# KiCad board eurovISOn REV.kicad_pcb (continued)
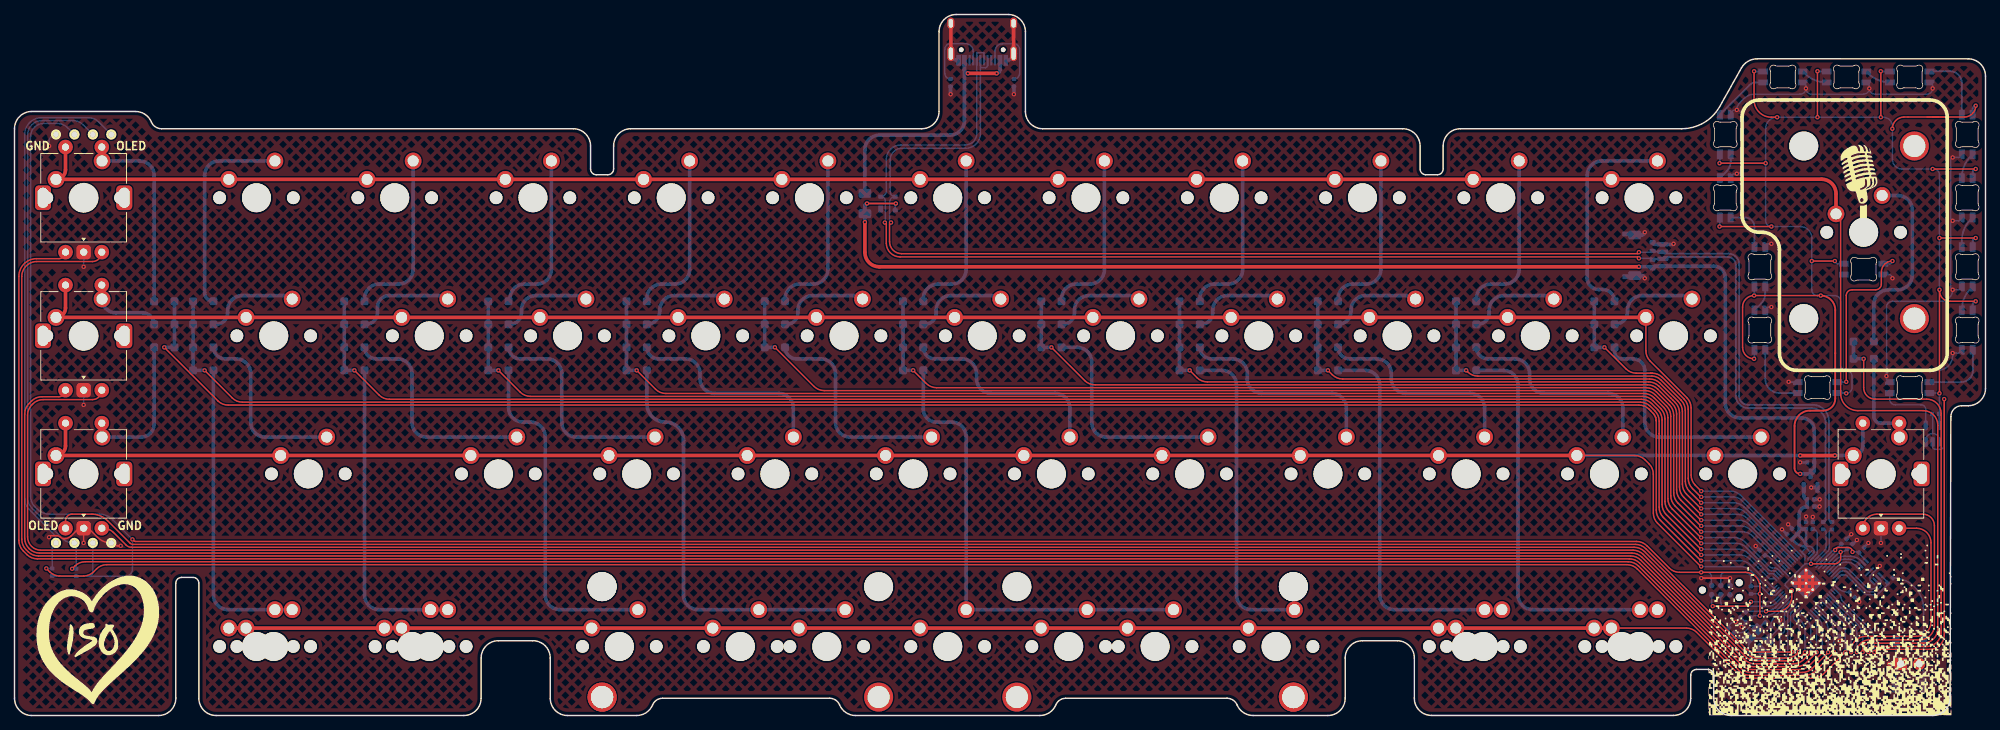
[diagram p0: board, top side]
## Routing (per net, layer and track width the routed paths; a pad name or vN(x,y) marks a point on that pad's centre or on a via; arc(x,y) is an arc through that point)
+1V1: length 33.2
  Top w0.2: v1(251.62,22.57) 251.62,21.73 arc(251.39,21.17) 250.82,20.93 v1(247.54,20.93) ; v1(244.9,17.25) 244.9,16.38 arc(244.31,14.96) 242.9,14.38 v1(241.35,14.38)
  Bottom w0.2: 247.57,21.51 247.54,21.48 v1(247.54,20.93) 246.72,20.93 243.99,18.2 243.99,17.93 244.68,17.25 v1(244.9,17.25) 244.92,17.22 244.92,17.16 ; 247.57,21.51 247.81,21.75 ; 247.57,21.51 247.81,21.75 ; 247.81,21.75 248.29,22.23 arc(248.36,22.35) 248.39,22.48 248.39,25.1 arc(248.21,25.53) C4.1 ; U3.23 242.67,14.92 242.66,14.91 242.62,14.89 242.55,14.83 arc(242.44,14.75) 242.33,14.68 242.3,14.67 arc(242.19,14.61) 242.07,14.55 242.04,14.54 arc(241.92,14.5) 241.79,14.46 241.76,14.45 arc(241.64,14.42) 241.51,14.4 v1(241.35,14.38) 241.35,14.37 238.81,14.37 arc(238.65,14.34) C6.1 ; C5.1 252.47,22.92 arc(252.08,22.66) v1(251.62,22.57) 251.45,22.57 U3.50
+3V3: length 387.2
  Top w0.2: v1(240.49,13.77) v1(240.49,16.79) 240.49,17.76 arc(239.91,19.17) 238.49,19.76 v1(232.41,19.76) 229.42,19.76 arc(228.66,19.91) 228.01,20.34 224.92,23.43 arc(224.27,23.86) 223.51,24.01 16.67,24.01 arc(16.55,24.04) 16.44,24.11 v1(16.25,24.3) ; v1(250.87,22.84) arc(250.97,23.08) 251.22,23.19 252.64,23.19 arc(253.07,23.01) v1(253.26,22.57)
  Bottom w0.2: U3.33 241.9,21.8 arc(241.57,22.02) C12.1 ; OL1.3 7.32,81.1 arc(6.67,81.54) 5.91,81.69 3.99,81.69 arc(2.73,81.17) 2.21,79.91 2.21,30.21 arc(2.36,29.44) 2.8,28.79 3.09,28.49 arc(3.89,27.97) 4.82,27.78 11.69,27.78 arc(12.69,27.58) 13.53,27.02 v1(16.25,24.3) 16.25,20.22 arc(15.96,19.52) 15.25,19.22 10.32,19.22 ; 10.32,19.22 R10.2 5.27,19.22 arc(5.23,19.23) R8.2 ; 10.32,19.22 arc(10.66,19.36) 10.8,19.7 OL2.3 ; C15.1 251.7,23.67 v1(250.87,22.84) ; 233.81,17.97 233.81,19.2 arc(233.64,19.59) 233.25,19.76 v1(232.41,19.76) ; 243.64,20.06 244.46,19.24 ; 247.73,22.24 247.76,22.28 247.82,22.34 247.87,22.41 247.91,22.49 247.94,22.57 247.97,22.65 247.98,22.74 arc(247.95,22.89) 247.87,23.02 247.7,23.19 arc(247.54,23.29) 247.36,23.33 246.9,23.33 ; 248.78,14.92 247.95,15.74 ; U3.48 250.39,22.64 arc(250.61,22.78) v1(250.87,22.84) ; U3.43 246.9,23.07 246.9,23.33 ; U3.22 242.67,14.35 arc(242.03,13.92) 241.28,13.77 239.84,13.77 arc(239.52,13.71) C14.1 ; U3.49 249.15,20.83 250.67,22.35 arc(250.82,22.58) v1(250.87,22.84) ; 246.9,23.33 246.9,23.16 U3.42 246.7,22.09 246.7,21.43 ; 244.05,15.73 244.88,16.56 ; C13.1 252.71,17.01 arc(251.85,17.18) U3.1 ; v1(253.26,22.57) 253.99,22.57 arc(254.09,22.55) C18.1 arc(254.2,22.33) 254.29,22.2 IC1.8 ; C11.1 251.46,12.24 250.67,13.03 U3.10 ; 248.56,20.24 249.38,21.06 ; U3.44 247.14,21.65 247.14,21.43 ; v1(240.49,16.79) R1.1 ; 251.13,17.67 250.31,18.49 ; 248.2,20.45 249.02,21.27
  Bottom w0.35: 246.73,23.33 246.9,23.33 246.86,23.38 C8.1 ; 246.73,23.33 arc(246.62,23.92) 246.28,24.43 C9.1 ; 246.73,23.33 arc(245.97,23.48) 245.32,23.92 C10.1
  Bottom w0.5: 245.91,26.19 245.91,27.72 arc(246.23,28.51) C17.2 C7.1 arc(246.68,29.96) 246.54,30.3 U4.2 ; 245.91,26.19 245.91,25.38 C9.1 245.62,25.03 C10.1 ; 245.91,26.19 arc(246.05,25.85) 246.39,25.71 C8.1
+5V: length 426.4
  Top w0.2: v1(270.23,75.41) v1(264.3,75.41) ; v1(250.82,62.71) v1(247.65,62.71) ; v1(270.23,65.88) 265.1,65.88 ; v1(270.23,57.15) 266.68,57.15 arc(265.66,57.58) 265.24,58.6 v1(265.24,58.74) v1(265.24,44.45) ; 264.3,82.58 268.67,82.58 arc(269.78,83.03) v1(270.23,84.14) ; 264.3,82.58 263.53,82.58 ; 264.3,82.58 265.1,82.58 ; v1(242.08,67.47) 242.08,67.47 v1(234.93,67.47) 234.94,67.47 ; v1(234.93,76.2) 234.94,76.2 v1(241.28,76.2) ; v1(257.16,88.89) v1(257.16,82.55) ; v1(248.43,88.89) v1(248.43,82.55) ; 265.1,82.58 260.36,82.58 arc(259.22,82.1) v1(258.75,80.96) ; 265.1,82.58 265.91,82.58 ; v1(239.7,88.89) 239.7,84.93 arc(240.39,83.25) 242.08,82.55 v1(242.87,82.55) ; v1(248.88,57.94) arc(248.88,57.95) 248.88,57.95 v1(239.7,57.95) arc(238.57,57.48) 238.11,56.36 238.11,50.8 arc(238.57,49.68) v1(239.7,49.22)
  Top w0.25: v1(121.44,70.65) v1(117.47,70.65) ; v1(246.05,33.34) arc(245.5,33.57) 245.27,34.12 245.27,39.94 arc(245.89,41.44) 247.4,42.07 249.24,42.07 arc(250.4,42.55) 250.88,43.71 250.88,50.01 250.88,55.94 arc(250.3,57.36) v1(248.88,57.94)
  Top w0.5: v1(223.82,61.92) 119.15,61.92 arc(117.75,62.49) 117.17,63.89 117.17,68.06 v1(117.17,68.06)
  Bottom w0.2: 248.43,57.94 250.85,57.94 arc(251.38,57.7) 251.6,57.15 251.6,48.42 arc(251.83,47.86) 252.4,47.63 arc(252.96,47.4) 253.19,46.83 253.19,45.25 arc(252.96,44.69) v1(252.4,44.45) ; 248.43,57.94 v1(248.88,57.94) ; 248.43,57.94 arc(247.88,58.17) 247.65,58.72 247.65,65.88 arc(247.19,67) 246.06,67.47 v1(242.08,67.47) ; v1(265.24,58.74) v1(265.24,65.88) 265.24,74.61 arc(265.01,75.18) 264.45,75.41 v1(264.3,75.41) 264.3,75.41 260.08,75.41 arc(259.15,75.79) 258.76,76.73 258.76,80.95 v1(258.75,80.96) ; LED10.1 251.19,62.34 arc(250.93,62.45) v1(250.82,62.71) ; LED1.1 265.2,44.5 arc(265.23,44.48) v1(265.24,44.45) U1.5 265.24,41.54 arc(265.22,41.59) C1.2 ; v1(242.08,67.47) 242.08,67.47 ; v1(242.08,67.47) arc(241.52,67.7) 241.28,68.26 241.28,80.96 arc(241.75,82.09) v1(242.87,82.55) 242.87,82.55 257.55,82.55 arc(258.41,82.16) 258.76,81.29
  Bottom w0.25: v1(239.7,49.22) 239.74,49.26 LED13.1 ; v1(234.93,76.2) 234.98,76.25 LED6.1 ; LED5.1 248.46,88.86 v1(248.43,88.89) ; LED2.1 269.81,56.73 arc(269.94,57.03) v1(270.23,57.15) ; U5.4 121.35,70.56 ; LED14.1 239.73,88.86 v1(239.7,88.89) ; v1(239.7,57.95) 239.74,57.99 LED8.1 ; v1(234.93,67.47) 234.98,67.51 LED7.1 ; LED9.1 252.35,44.5 ; v1(257.16,88.89) 257.2,88.86 LED4.1 ; LED11.1 269.81,74.99 arc(269.94,75.29) v1(270.23,75.41) ; LED12.1 269.81,83.72 arc(269.94,84.02) v1(270.23,84.14) ; LED3.1 269.81,65.46 arc(269.94,65.76) v1(270.23,65.88)
  Bottom w0.5: v1(223.82,61.92) 225.5,61.92 arc(225.65,61.85) J3.1 arc(225.8,61.91) 226.01,62 J2.1 234.14,62 arc(235.26,61.54) 235.73,60.41 235.73,43.09 arc(236.32,41.65) 237.76,41.06 246.27,41.06 arc(247.49,40.56) 247.99,39.34 C16.2 247.99,33.83 arc(247.84,33.48) U4.3 246.05,33.34 v1(246.05,33.34) ; v1(117.17,68.06) F1.2 117.17,70.35 arc(117.26,70.56) v1(117.47,70.65)
GND: length 234.8
  Top w0.2: 7,24.4 6.83,24.4 arc(6.56,24.45) 6.33,24.61 arc(6.11,24.76) 5.84,24.81 4.97,24.81 arc(4.82,24.75) v1(4.76,24.61) ; SW6.C 10.19,25.84 11.42,24.61 arc(12.3,24.02) OL2.4 ; SW6.C 8.87,25.84 7.83,24.8 arc(7.38,24.5) 6.84,24.39 ; SW6.C v1(9.53,23.81)
  Top w0.25: v1(14.63,23.41) 14.3,23.41 arc(13.78,23.52) OL2.4 ; v1(236.38,18.96) v1(232.41,18.96)
  Top w0.5: J1.S1 J1.S1 ; 246.86,16.67 U3.57 ; U3.57 U3.57 ; U3.57 U3.57 ; U3.57 U3.57 ; U3.57 U3.57 U3.57 U3.57 245.95,19.06 ; J1.S1 J1.S1
  Bottom w0.2: U1.3 263.34,37.95 arc(263.62,38.63) 264.3,38.91 ; SW4.C v1(9.53,42.86) ; Y1.4 236.97,10.7 arc(236.44,10.91) 236.22,11.44 C3.1 arc(236.46,12.68) 237.04,12.92 v1(237.17,12.92) ; Y1.4 238.99,10.68 241.39,10.68 arc(241.63,10.58) Y1.2 241.73,10.63 C2.1 v1(243.28,13.17) ; Y1.4 238.97,8.52 arc(239.2,7.96) 239.77,7.72 243.31,7.72 arc(244.02,8.02) 244.32,8.73 244.32,14.21 244.32,14.25 arc(244.32,14.25) 244.32,14.26 244.32,14.28 244.34,14.33 U3.19 ; 257.95,46.87 257.95,56.4 arc(258.2,56.93) 258.75,57.15 265.47,57.15 arc(266.59,57.62) v1(267.06,58.74) ; 257.95,46.87 257.93,46.85 257.95,46.87 ; 257.95,46.87 257.95,49.22 ; 264.3,38.91 264.3,41.52 arc(264.28,41.58) 264.22,41.61 ; 264.3,38.91 arc(264.96,38.63) 265.24,37.97 U1.1 ; SW2.1 259.83,7.18 arc(259.4,7.83) 259.24,8.6 SW1.1 ; SW2.1 259.83,7.05 arc(259.4,6.41) 259.24,5.64 SW1.1 ; SW2.1 v1(258.31,7.12) ; v1(242.08,56.36) 241.69,56.36 arc(241.37,56.23) LED13.4 ; SW5.C v1(257.18,23.81) ; v1(237.32,83.56) 237.14,83.56 arc(236.67,83.36) LED6.4 ; v1(237.32,83.56) arc(237.78,83.37) 237.97,82.91 237.97,75.4 arc(237.78,74.94) v1(237.32,74.75) 237.07,74.75 arc(236.65,74.58) LED7.4 ; v1(237.32,83.56) arc(237.42,84.09) 237.73,84.55 238.32,85.14 arc(238.97,85.57) 239.73,85.73 246.05,85.73 arc(246.61,85.96) v1(246.84,86.52) ; SW3.C v1(9.53,61.91) ; U3.57 U3.57 ; v1(267.06,58.74) 267.86,58.74 arc(268.18,58.87) LED3.4 ; v1(267.06,58.74) arc(266.88,58.82) 266.8,59 266.8,68.01 arc(266.88,68.19) v1(267.06,68.26) ; v1(242.08,65.09) 241.69,65.09 arc(241.37,64.96) LED8.4 ; v1(246.84,86.52) 246.84,86.91 arc(246.71,87.23) LED14.4 ; v1(246.84,86.52) arc(247.07,85.96) 247.63,85.73 254.78,85.73 arc(255.34,85.96) v1(255.57,86.52) ; LED10.4 258.25,60.84 arc(258.61,60.69) v1(258.76,60.33) ; v1(4.76,78.58) 4.76,79.22 arc(5.04,79.89) OL1.4 ; v1(257.02,20.64) 255.68,19.3 255.68,18.69 IC1.4 ; v1(267.06,68.26) 267.86,68.26 arc(268.18,68.4) LED11.4 ; v1(267.06,68.26) arc(266.88,68.34) 266.8,68.52 266.8,76.74 arc(266.88,76.92) v1(267.06,77) 267.86,77 arc(268.18,77.13) LED12.4 ; v1(255.57,86.52) 255.57,86.94 arc(255.45,87.23) LED5.4 ; v1(255.57,86.52) arc(255.8,85.96) 256.36,85.73 263.51,85.73 arc(264.07,85.96) v1(264.3,86.52) 264.3,86.92 arc(264.17,87.23) LED4.4 ; LED1.4 arc(258.07,46.13) 257.93,46.46 v1(257.93,46.83) arc(258.17,47.4) 258.73,47.63 265,47.63 arc(266.46,48.23) 267.06,49.69 v1(267.06,50.01) 267.86,50.01 arc(268.18,50.14) LED2.4
  Bottom w0.25: v1(237.97,12.22) 238.58,12.83 C14.2 238.56,12.86 C6.2 237.82,13.58 v1(237.17,12.92) ; LED9.4 244.5,46 arc(244.47,46.01) v1(244.46,46.04) ; v1(236.38,18.96) J5.5
  Bottom w0.35: C12.2 240.5,22.8 v1(239.92,23.39) ; C5.2 253.3,23.66 v1(253.86,24.21) ; C4.2 247.78,27.4 v1(247.79,27.4) ; C11.2 251.46,10.32 v1(251.47,10.31) ; v1(253.08,25.01) 252.42,24.34 C15.2 ; v1(243.54,25.68) 244.22,25.01 C10.2 ; v1(254.2,15.69) 253.56,16.33 C13.2 ; v1(246.05,34.93) 246.05,34.92 C16.1 ; C8.2 246.86,27.44 v1(246.86,27.45) ; C9.2 244.94,25.83 v1(244.39,26.38) ; v1(255.43,23.81) 254.85,23.23 C18.2
  Bottom w0.5: J1.A1 129.94,90.41 arc(129.29,90.68) J1.S1 ; C17.1 248.72,28.83 v1(248.72,28.83) ; J3.MP 223.24,66.45 J2.MP 224.26,66.3 arc(224.52,66.41) v1(224.63,66.67) ; v1(128.98,85.73) 128.98,85.73 R2.2 ; v1(248.73,29.81) 248.71,29.83 C7.2 ; J1.A12 136.75,90.41 arc(137.39,90.68) J1.S1 ; J3.MP 223.24,60.55 J2.MP 224.26,60.7 arc(224.52,60.59) v1(224.63,60.33) ; R3.2 137.71,85.73 v1(137.7,85.73) ; U4.1 247.57,31.46 v1(247.57,31.46) ; v1(228.6,65.09) arc(228.57,65.03) 228.51,65 J2.4 226.01,65 arc(225.8,65.09) J3.4
VBUS: length 38.5
  Top w0.5: v1(135.33,88.6) v1(131.36,88.6)
  Bottom w0.5: F1.1 117.17,78.08 arc(117.76,79.5) 119.17,80.08 128.89,80.08 arc(130.31,80.67) 130.89,82.08 J1.A4 130.89,89.07 arc(131.03,88.74) v1(131.36,88.6) ; J1.A9 135.79,89.07 arc(135.65,88.74) v1(135.33,88.6)
/CC1: length 10.7
  Bottom w0.2: J1.A5 132.09,91.65 arc(131.78,92.39) 131.04,92.7 128.98,92.7 arc(128.42,92.47) 128.18,91.91 128.18,88.62 arc(128.42,88.06) R2.1
/CC2: length 10.2
  Bottom w0.2: J1.B5 135.09,91.65 arc(135.39,92.38) 136.12,92.68 137.71,92.68 arc(138.27,92.44) 138.5,91.88 138.5,88.62 arc(138.27,88.06) R3.1
/D_+: length 5.1
  Bottom w0.2: U3.47 249.84,22.65 arc(250,22.89) 250.06,23.18 250.06,25.31 arc(250.16,25.58) R4.2
/D_-: length 4.7
  Bottom w0.2: U3.46 249.43,22.8 arc(249.56,23.01) 249.61,23.24 249.61,25.31 arc(249.5,25.58) R5.2
/XTAL_O: length 5.3
  Bottom w0.2: C3.2 237.81,11.43 arc(238.25,11.52) 238.62,11.76 239.17,12.31 arc(239.26,12.37) 239.37,12.39 239.5,12.39 arc(239.66,12.36) 239.8,12.27 Y1.1
  Bottom w0.25: Y1.1 241.08,12.8 arc(241.16,12.86) R6.1
/~{USB_BOOT}: length 17.8
  Bottom w0.2: SW1.2 263.04,5.68 arc(262.89,6.45) 262.46,7.09 SW2.2 262.46,7.14 arc(262.89,7.79) 263.04,8.56 SW1.2 263.04,14.75 arc(261.8,17.75) R9.2
COL0: length 251.1
  Top w0.2: v1(232.41,21.36) 232.36,21.36 226.8,26.92 arc(226.36,27.57) 226.21,28.34 226.21,40.68 arc(226.21,40.69) 226.21,40.71 226.21,40.71 226.2,40.79 arc(226.18,40.92) 226.15,41.05 226.13,41.13 226.1,41.2 arc(226.05,41.32) 225.99,41.43 225.95,41.5 225.9,41.56 arc(225.81,41.66) 225.72,41.76 225.43,42.05 225.43,42.07 225.25,42.25 arc(224.6,42.68) 223.83,42.83 29.43,42.83 arc(28.67,42.98) 28.02,43.42 v1(20.64,50.8)
  Bottom w0.2: v1(232.41,21.36) 237.78,21.36 arc(238.54,21.2) 239.19,20.77 242.16,17.8 arc(242.31,17.7) 242.49,17.66 U3.28
  Bottom w0.5: D1.2 D26.2 v1(20.64,50.8)
COL1: length 246.9
  Top w0.2: v1(26.19,47.62) 30,43.82 arc(30.65,43.38) 31.42,43.23 224,43.23 arc(224.77,43.08) 225.41,42.65 226.03,42.03 arc(226.47,41.38) 226.62,40.61 226.62,38.89 226.61,38.89 226.61,28.74 arc(226.76,27.97) 227.2,27.32 232.36,22.16 v1(232.41,22.16)
  Bottom w0.2: v1(232.41,22.16) 237.7,22.16 arc(238.46,22) 239.11,21.57 241.79,18.9 arc(241.84,18.86) 241.9,18.85 U3.29
  Bottom w0.5: v1(26.19,47.62) D39.2 D2.2
COL2: length 226.7
  Top w0.2: v1(46.83,47.62) 50.24,44.22 arc(50.89,43.78) 51.65,43.63 224.17,43.63 arc(224.93,43.48) 225.58,43.05 226.43,42.19 arc(226.87,41.54) 227.02,40.78 227.02,29.13 arc(227.17,28.36) 227.6,27.72 232.36,22.96 v1(232.41,22.96)
  Bottom w0.2: 242.44,19.56 U3.30 242.49,19.51 242.47,19.53 242.41,19.56 242.38,19.56 241.8,19.56 arc(241.7,19.58) 241.61,19.63 238.88,22.37 arc(238.23,22.8) 237.46,22.96 v1(232.41,22.96)
  Bottom w0.5: v1(46.83,47.62) D40.2 D3.2
COL3: length 206.5
  Top w0.2: v1(232.41,23.76) 232.36,23.76 228,28.12 arc(227.57,28.76) 227.42,29.53 227.42,40.94 arc(227.27,41.71) 226.83,42.36 225.75,43.45 arc(225.1,43.88) 224.33,44.03 71.1,44.03 arc(70.33,44.18) 69.68,44.62 v1(66.67,47.62)
  Bottom w0.2: 242.66,19.91 242.66,19.9 U3.31 ; 242.66,19.91 242.54,19.95 242.48,19.96 ; 242.66,19.91 arc(242.6,19.94) 242.54,19.96 242.48,19.96 ; v1(232.41,23.76) 237.23,23.76 arc(238,23.6) 238.64,23.17 241.72,20.1 arc(241.87,19.99) 242.06,19.96 242.48,19.96
  Bottom w0.5: D4.2 D41.2 v1(66.67,47.62)
COL4: length 187.8
  Top w0.2: v1(85.72,47.62) 88.33,45.02 arc(88.98,44.58) 89.75,44.43 224.5,44.43 arc(225.26,44.28) 225.91,43.85 227.23,42.52 arc(227.67,41.87) 227.82,41.11 227.82,29.93 arc(227.97,29.16) 228.4,28.52 232.36,24.56 v1(232.41,24.56)
  Bottom w0.2: v1(232.41,24.56) 237,24.56 arc(237.76,24.4) 238.41,23.97 241.88,20.5 arc(242.04,20.39) 242.22,20.36 242.64,20.36 arc(242.77,20.33) 242.87,20.26 U3.32 243.06,20.07
  Bottom w0.5: D5.2 D42.2 v1(85.72,47.62)
COL5: length 166.7
  Top w0.2: v1(104.77,50.8) 110.16,45.42 arc(110.81,44.98) 111.57,44.83 224.66,44.83 arc(225.43,44.68) 226.08,44.25 227.63,42.69 arc(228.07,42.04) 228.22,41.28 228.22,30.33 arc(228.37,29.56) 228.8,28.92 232.36,25.36 v1(232.41,25.36)
  Bottom w0.2: 243.62,20.64 239.49,24.77 arc(238.84,25.2) 238.08,25.36 v1(232.41,25.36) ; 243.58,20.68 244.06,20.2
  Bottom w0.5: v1(104.77,50.8) 103.38,50.8 103.38,57.15
COL6: length 149.4
  Top w0.2: v1(232.41,26.16) 232.36,26.16 229.2,29.32 arc(228.77,29.96) 228.62,30.73 228.62,41.44 arc(228.47,42.21) 228.03,42.85 226.24,44.65 arc(225.59,45.08) 224.83,45.23 127.05,45.23 arc(126.28,45.38) 125.63,45.82 v1(123.83,47.62)
  Bottom w0.2: U3.35 239.26,25.57 arc(238.61,26) 237.84,26.16 v1(232.41,26.16)
  Bottom w0.5: D7.2 D43.2 v1(123.83,47.62)
COL7: length 128.5
  Top w0.2: v1(142.88,50.8) 147.46,46.22 arc(148.11,45.78) 148.87,45.63 224.99,45.63 arc(225.76,45.48) 226.41,45.05 228.43,43.02 arc(228.87,42.37) 229.02,41.61 229.02,31.13 arc(229.17,30.36) 229.6,29.72 232.36,26.96 v1(232.41,26.96)
  Bottom w0.2: U3.36 239.02,26.37 arc(238.38,26.8) 237.61,26.96 v1(232.41,26.96)
  Bottom w0.5: 141.48,57.15 141.48,50.8 v1(142.88,50.8)
COL8: length 111.4
  Top w0.2: v1(161.93,47.62) 162.93,46.62 arc(163.58,46.18) 164.35,46.03 225.16,46.03 arc(225.92,45.88) 226.57,45.45 228.83,43.19 arc(229.27,42.54) 229.42,41.77 229.42,31.53 arc(229.57,30.76) 230,30.12 232.36,27.76 v1(232.41,27.76)
  Bottom w0.2: v1(232.41,27.76) 237.38,27.76 arc(238.14,27.6) 238.79,27.17 U3.37
  Bottom w0.5: D9.2 D44.2 v1(161.93,47.62)
COL9: length 93
  Top w0.2: v1(232.41,28.56) 232.36,28.56 230.4,30.52 arc(229.97,31.16) 229.82,31.93 229.82,41.94 arc(229.67,42.7) 229.23,43.35 226.74,45.85 arc(226.09,46.28) 225.33,46.43 183,46.43 arc(182.23,46.58) 181.58,47.02 v1(180.98,47.62)
  Bottom w0.2: U3.38 244.31,22.22 ; v1(232.41,28.56) 237.14,28.56 arc(237.91,28.4) 238.56,27.97 244.76,21.77
  Bottom w0.5: D10.2 D45.2 v1(180.98,47.62)
COL10: length 73.3
  Top w0.2: v1(232.41,29.36) 232.36,29.36 230.8,30.92 arc(230.37,31.56) 230.22,32.33 230.22,42.1 arc(230.07,42.87) 229.63,43.52 226.83,46.32 arc(226.26,46.7) 225.6,46.83 201.65,46.83 arc(200.88,46.98) 200.23,47.42 v1(200.03,47.62)
  Bottom w0.2: U3.39 245.04,22.05 238.32,28.77 arc(237.67,29.2) 236.91,29.36 v1(232.41,29.36)
  Bottom w0.5: D11.2 D46.2 v1(200.03,47.62)
COL11: length 52.7
  Top w0.2: 225.43,47.23 225.43,47.23 225.65,47.23 arc(226.42,47.08) 227.07,46.65 230.03,43.68 arc(230.47,43.03) 230.62,42.27 230.62,32.73 arc(230.77,31.96) 231.2,31.32 232.36,30.16 v1(232.41,30.16) ; 225.43,47.23 225.66,47.23 ; 225.43,47.23 223.47,47.23 arc(222.71,47.38) 222.06,47.82 v1(219.08,50.8)
  Bottom w0.2: U3.40 237.97,29.69 arc(237.45,30.03) 236.84,30.16 v1(232.41,30.16)
  Bottom w0.5: v1(219.08,50.8) D37.2 D12.2
COL12: length 72.4
  Top w0.2: v1(254.79,49.22) 254.79,45.23 arc(255.25,44.12) 256.36,43.66 263.47,43.66 arc(264.89,43.07) 265.47,41.66 265.47,11.53 arc(264.89,10.11) 263.47,9.53 256.25,9.53 arc(255.69,9.29) v1(255.46,8.73)
  Bottom w0.2: v1(255.46,8.73) 255.46,10.81 arc(255.3,11.57) 254.87,12.22 U3.4
  Bottom w0.5: v1(254.79,49.22) D38.2 D13.2
CS: length 10.5
  Bottom w0.2: IC1.1 258.08,18.42 R9.1 arc(258.04,18.07) 257.92,17.9 256.91,16.89 arc(256.66,16.72) 256.36,16.66 255.34,16.66 arc(255.12,16.71) 254.93,16.83 252.47,19.29 arc(252.35,19.37) 252.21,19.4 251.94,19.4 arc(251.91,19.4) 251.88,19.4 251.84,19.4 251.69,19.36 251.56,19.28 251.53,19.25 arc(251.51,19.23) 251.49,19.21 U3.56
D_N: length 205.6
  Top w0.2: v1(223.82,63.08) arc(223.76,63.22) 223.62,63.28 122.03,63.28 arc(120.68,63.84) 120.12,65.18 120.12,67.82 arc(120.06,67.96) v1(119.92,68.02)
  Bottom w0.2: J1.A7 133.59,91.39 133.54,91.44 132.64,91.44 132.59,91.39 J1.B7 132.59,80.3 arc(132.13,79.18) 131.01,78.72 122.12,78.72 arc(120.71,78.13) 120.12,76.72 120.12,72.37 arc(119.9,71.82) U5.2 arc(119.81,71.41) 120,70.95 120,68.1 ; v1(223.82,63.08) 225.54,63.08 arc(225.66,63.03) J3.2
  Bottom w0.25: J3.2 arc(225.74,62.97) 225.81,63 J2.2 arc(227.19,63.2) 227.39,63.28 236.05,63.28 arc(236.85,62.95) 237.18,62.15 237.18,62.05 arc(237.18,62.03) 237.18,62.01 237.18,44.12 arc(237.68,42.92) 238.89,42.42 247.56,42.42 arc(248.97,41.83) 249.55,40.42 249.55,27.02 arc(249.46,26.8) R5.1
D_P: length 205.8
  Top w0.2: v1(223.82,63.93) arc(223.76,63.79) 223.62,63.73 122.22,63.73 arc(121.05,64.21) 120.57,65.37 120.57,67.82 arc(120.63,67.96) v1(120.77,68.02)
  Bottom w0.2: v1(223.82,63.93) 225.54,63.93 arc(225.66,63.98) J3.3 ; J1.B6 134.09,89.77 arc(134.09,89.74) 134.09,89.7 134.09,89.68 134.05,89.58 133.99,89.49 133.9,89.42 133.79,89.39 133.77,89.39 arc(133.74,89.39) 133.71,89.39 133.14,89.39 133.09,89.44 J1.A6 133.09,80.27 arc(132.51,78.85) 131.09,78.27 122.27,78.27 arc(121.12,77.79) 120.65,76.65 120.65,72.29 arc(120.85,71.8) U5.3 arc(120.8,71.37) 120.57,70.82 120.57,68.22 arc(120.63,68.08) v1(120.77,68.02)
  Bottom w0.25: J3.3 arc(225.74,64.03) 225.81,64 J2.3 arc(227.19,63.81) 227.38,63.73 236.18,63.73 arc(237.21,63.3) 237.64,62.27 237.64,62.26 237.64,62.15 arc(237.64,62.13) 237.64,62.11 237.64,44.08 arc(238,43.22) 238.85,42.87 247.76,42.87 arc(249.35,42.21) 250,40.63 250,27.13 arc(250.13,26.83) R4.1
indicators: length 8.8
  Bottom w0.2: U1.4 263.34,42.24 arc(263.16,42.68) 262.71,42.87 259.13,42.87 arc(258.62,43.08) 258.4,43.6 LED1.3
QSPI_CLK: length 5.3
  Bottom w0.2: U3.52 251.14,21.13 arc(251.63,21.45) 252.21,21.57 252.68,21.57 arc(253.45,21.42) 254.1,20.98 IC1.6
r1: length 27.6
  Bottom w0.5: D1.1 19.24,74.52 arc(18.65,75.93) 17.24,76.52 MX1.2 arc(12.04,76.53) 12.03,76.56 SW3.S1
r2: length 11.1
  Bottom w0.5: SW4.S1 12.03,57.47 MX14.2 arc(12.62,56.12) 13.97,55.56 17.65,55.56 arc(18.77,55.1) D14.1
r3: length 20.8
  Bottom w0.5: SW6.S1 12.03,38.42 MX26.2 17.46,38.42 arc(18.72,38.94) 19.24,40.19 D26.1
r4: length 11.9
  Bottom w0.5: SW5.S1 257.16,40.34 arc(256.48,40.62) 256.19,41.3 D38.1
rA: length 307.8
  Top w0.2: v1(249.1,8.73) 249.1,8.68 247.34,6.92 arc(246.69,6.49) 245.93,6.34 239.45,6.34 arc(238.68,6.49) 238.03,6.92 223.93,21.03 arc(223.28,21.46) 222.51,21.61 3.13,21.61 arc(2.36,21.77) 1.72,22.2 1.19,22.73 arc(0.75,23.38) 0.6,24.14 0.6,60.59 arc(1.32,62.32) 3.04,63.04 6.12,63.04 arc(6.76,63.3) SW3.A
  Bottom w0.2: U3.13 248.51,13.49 arc(248.95,12.84) 249.1,12.07 v1(249.1,8.73)
rB: length 310.2
  Top w0.2: v1(248.3,8.73) 248.3,8.68 246.94,7.32 arc(246.29,6.89) 245.53,6.74 239.61,6.74 arc(238.85,6.89) 238.2,7.32 224.09,21.43 arc(223.45,21.86) 222.68,22.01 3.3,22.01 arc(2.53,22.17) 1.88,22.6 1.59,22.9 arc(1.15,23.54) 1,24.31 1,60.58 arc(1.6,62.03) 3.06,62.64 10.73,62.64 arc(11.64,63.02) SW3.B
  Bottom w0.2: v1(248.3,8.73) 248.3,12.31 arc(248.15,13.07) 247.71,13.72 U3.14
rC: length 284.3
  Top w0.2: v1(247.5,8.73) 247.5,8.68 246.54,7.72 arc(245.89,7.29) 245.13,7.14 239.78,7.14 arc(239.01,7.29) 238.36,7.72 224.26,21.83 arc(223.61,22.26) 222.85,22.41 3.46,22.41 arc(2.7,22.57) 2.05,23 1.99,23.06 arc(1.55,23.71) 1.4,24.48 1.4,41.62 arc(1.55,42.38) 1.99,43.03 2.35,43.4 arc(3,43.84) 3.77,43.99 6.12,43.99 arc(6.76,44.25) SW4.A
  Bottom w0.2: U3.15 246.91,13.34 arc(247.35,12.69) 247.5,11.92 v1(247.5,8.73)
rD: length 287.6
  Top w0.2: v1(246.7,8.73) 246.09,8.12 arc(245.44,7.69) 244.68,7.54 239.94,7.54 arc(239.18,7.69) 238.53,8.12 224.43,22.23 arc(223.78,22.66) 223.01,22.81 3.63,22.81 arc(2.34,23.35) 1.8,24.64 1.8,41.45 arc(1.95,42.22) 2.39,42.87 2.52,43 arc(3.17,43.44) 3.93,43.59 10.73,43.59 arc(11.64,43.97) SW4.B
  Bottom w0.2: v1(246.7,8.73) 246.7,11.68 arc(246.55,12.45) 246.11,13.09 245.67,13.54 arc(245.59,13.67) 245.56,13.82 245.56,13.84 U3.16
rE: length 253.4
  Top w0.2: SW6.A 7.03,26.87 arc(7.29,27.51) 7.94,27.78 10.66,27.78 arc(11.82,27.55) 12.81,26.89 15.94,23.76 arc(16.1,23.65) 16.3,23.61 223.34,23.61 arc(224.11,23.46) 224.76,23.03 238.43,9.35 arc(239.08,8.92) 239.85,8.77 v1(244.92,8.77)
  Bottom w0.2: U3.18 244.75,14.17 arc(244.73,14.14) 244.72,14.09 244.72,9.25 arc(244.77,8.99) v1(244.92,8.77)
rF: length 247.5
  Top w0.2: v1(245.88,8.76) 245.64,8.52 arc(244.99,8.09) 244.23,7.94 240.11,7.94 arc(239.35,8.09) 238.7,8.52 224.59,22.63 arc(223.94,23.06) 223.18,23.21 16.09,23.21 arc(15.71,23.29) 15.39,23.5 13.64,25.25 arc(12.99,25.69) 12.23,25.84 SW6.B
  Bottom w0.2: v1(245.88,8.76) 245.91,8.79 245.91,11.94 arc(245.79,12.53) 245.45,13.04 245.32,13.17 arc(245.17,13.39) 245.12,13.64 245.12,13.93 245.13,13.97 245.15,14 245.16,14 245.16,14.02 U3.17
rG: length 47.6
  Top w0.2: SW5.A arc(255.24,27.21) 256.62,27.78 262.95,27.78 arc(264.08,27.32) 264.54,26.19 264.54,12.44 arc(263.96,11.03) 262.54,10.44 255.57,10.44 arc(254.36,9.94) v1(253.86,8.73)
  Bottom w0.2: U3.6 253.27,12.69 arc(253.7,12.04) 253.86,11.28 v1(253.86,8.73)
RGB MCU: length 63.4
  Top w0.2: v1(256.26,8.73) arc(256.37,9.01) 256.65,9.12 263.9,9.12 arc(265.31,9.71) 265.9,11.12 265.9,43.65 arc(265.9,43.66) v1(265.89,43.66)
  Bottom w0.2: v1(256.26,8.73) 256.26,10.57 arc(256.1,11.34) 255.67,11.99 251.91,15.75 arc(251.75,15.99) 251.69,16.27 arc(251.64,16.51) 251.51,16.72 U3.2 ; U1.2 264.29,37.11 arc(264.4,36.84) 264.68,36.72 265.3,36.72 arc(265.72,36.89) 265.89,37.31 v1(265.89,43.66)
rH: length 38.6
  Top w0.2: SW5.B 262.08,25.84 arc(263.49,25.25) 264.08,23.84 264.08,12.92 arc(263.49,11.51) 262.08,10.92 255.06,10.92 arc(253.64,10.34) 253.06,8.92 v1(253.06,8.73)
  Bottom w0.2: v1(253.06,8.73) 253.06,11.51 arc(252.9,12.28) 252.47,12.92 U3.7
ROW0: length 345.7
  Top w0.2: v1(254.66,8.73) 254.66,9.05 arc(254.93,9.71) 255.59,9.98 263,9.98 arc(264.42,10.57) 265,11.98 265,40.07 arc(264.42,41.48) 263,42.07 254,42.07 arc(252.32,42.77) 251.62,44.45 251.62,68.58 arc(251.43,69.03) MX13.1
  Top w0.5: MX13.1 250.98,72 arc(250.4,73.42) 248.98,74 220.05,74 MX12.1 MX2.1 MX1.1 arc(6.64,74.36) 7.03,75.29 SW3.S2
  Bottom w0.2: v1(254.66,8.73) 254.66,11.04 arc(254.5,11.81) 254.07,12.46 U3.5 249.88,16.65 249.88,16.65
ROW1: length 268.2
  Top w0.2: MX25.1 224.79,50.32 arc(224.94,49.56) 225.38,48.91 230.43,43.85 arc(230.87,43.2) 231.02,42.43 231.02,33.18 arc(231.17,32.41) 231.6,31.76 v1(232.41,30.96)
  Top w0.5: MX25.1 MX15.1 MX14.1 arc(6.64,55.31) 7.03,56.24 SW4.S2
  Bottom w0.2: v1(232.41,30.96) 236.44,30.96 arc(237.2,30.8) 237.85,30.37 U3.41
ROW2: length 297.3
  Top w0.2: MX36.1 223.24,35.88 arc(224,35.73) 224.65,35.29 225.23,34.72 arc(225.66,34.07) 225.81,33.3 225.81,27.94 arc(225.96,27.17) 226.4,26.52 232.36,20.56 v1(232.41,20.56)
  Top w0.5: v1(250.82,35.88) 250.82,35.87 246.06,35.87 v1(246.06,35.88) ; SW6.S2 7.03,37.19 arc(6.64,36.26) MX26.1 MX27.1 215.11,35.88
  Bottom w0.2: U3.27 242.49,17 242.2,17 239.24,19.97 arc(238.59,20.4) 237.82,20.56 v1(232.41,20.56)
  Bottom w0.5: v1(246.06,35.88) MX37.1 MX36.1 ; 250.81,35.88 MX38.1 arc(254.29,36.26) 254.68,37.19 SW5.S2
ROW3: length 235
  Top w0.2: v1(252.26,8.73) 249.25,5.72 arc(248.6,5.29) 247.83,5.14 238.95,5.14 arc(238.19,5.29) 237.54,5.72 231.78,11.48 arc(231.13,11.91) 230.37,12.06 MX46.1
  Top w0.5: MX47.1 MX46.1
  Bottom w0.2: v1(252.26,8.73) 252.26,11.74 arc(252.1,12.51) 251.67,13.16 U3.8
SCL: length 330.6
  Top w0.2: v1(249.9,8.73) 249.9,8.68 247.74,6.52 arc(247.09,6.09) 246.33,5.94 239.28,5.94 arc(238.52,6.09) 237.87,6.52 223.76,20.63 arc(223.11,21.06) 222.35,21.21 9.74,21.21 arc(8.97,21.06) 8.32,20.63 v1(7.94,20.24)
  Bottom w0.2: v1(7.94,20.24) R10.1 8.5,23.56 arc(8.43,23.74) OL2.2 8.04,23.81 arc(7.27,23.96) 6.63,24.4 2.4,28.63 arc(1.96,29.28) 1.81,30.04 1.81,80.12 arc(2.39,81.51) 3.78,82.09 8.05,82.09 arc(8.81,81.94) 9.46,81.5 OL1.2 ; v1(249.9,8.73) 249.9,11.84 arc(249.75,12.6) 249.31,13.25 U3.12
SD0: length 4.6
  Bottom w0.2: U3.53 251.34,20.76 arc(251.79,21.06) 252.33,21.17 252.37,21.17 arc(253.14,21.02) 253.79,20.58 IC1.5
SD1: length 9.4
  Bottom w0.2: IC1.2 257.17,18.61 257.17,17.93 arc(257.15,17.83) 257.1,17.75 256.6,17.25 arc(256.39,17.11) 256.14,17.06 255.56,17.06 arc(255.29,17.12) 255.06,17.27 252.52,19.81 arc(252.37,19.91) 252.2,19.94 251.85,19.94 arc(251.67,19.9) 251.51,19.8 U3.55
SD2: length 8.7
  Bottom w0.2: U3.54 251.36,20.21 arc(251.51,20.31) 251.68,20.35 252.26,20.35 arc(252.53,20.29) 252.75,20.14 255.04,17.86 arc(255.47,17.56) 255.99,17.46 arc(256.23,17.51) 256.43,17.65 256.77,17.99 256.77,18.31 IC1.3
SD3: length 6
  Bottom w0.2: U3.51 250.93,21.48 arc(251.47,21.84) 252.11,21.97 252.25,21.97 252.25,21.97 252.99,21.97 252.99,21.97 arc(253.75,21.82) 254.4,21.38 IC1.7
SDA: length 338.3
  Top w0.2: v1(250.7,8.73) 250.7,8.68 248.14,6.12 arc(247.49,5.69) 246.73,5.54 239.12,5.54 arc(238.35,5.69) 237.7,6.12 223.6,20.23 arc(222.95,20.66) 222.18,20.81 12.72,20.81 arc(11.95,20.66) 11.3,20.23 10.9,19.83 arc(10.26,19.4) 9.49,19.24 6.25,19.24 arc(5.49,19.4) 4.84,19.83 v1(4.38,20.29)
  Bottom w0.2: v1(250.7,8.73) 250.7,11.6 arc(250.55,12.37) 250.11,13.02 U3.11 ; OL1.1 11.6,81.9 arc(10.95,82.34) 10.19,82.49 3.71,82.49 arc(2.09,81.81) 1.41,80.19 1.41,29.88 arc(1.56,29.11) 2,28.46 5.13,25.33 arc(5.56,24.68) 5.71,23.91 OL2.1 arc(5.35,23.66) 5.19,23.29 R8.1 4.39,20.28 v1(4.38,20.29)
SWCLK: length 10.5
  Bottom w0.2: U3.24 242.68,15.5 arc(242.22,15.19) 241.68,15.08 235.59,15.08 arc(235.25,15.22) 235.11,15.56 J5.4
SWD: length 11.9
  Top w0.2: v1(234,15.08) 238.66,15.08 arc(239.09,15.26) v1(239.26,15.68)
  Bottom w0.2: J5.2 233.84,15.24 arc(233.89,15.13) v1(234,15.08) ; v1(239.26,15.68) 241.96,15.68 arc(242.27,15.74) 242.54,15.92 242.6,15.98 arc(242.61,15.99) 242.63,16.01 U3.25
XTAL_IN: length 10.4
  Bottom w0.2: U3.20 243.99,14.54 arc(243.92,14.44) 243.9,14.32 243.9,11.84 arc(243.72,11.4) C2.2
  Bottom w0.25: C2.2 243.28,9.18 arc(243.1,8.76) 242.68,8.58 241.08,8.58 arc(240.69,8.75) Y1.3
XTAL_OUT: length 4.5
  Bottom w0.2: U3.21 242.64,13.76 arc(242.15,13.02) R6.2
~{RESET}: length 11.8
  Bottom w0.2: U3.26 242.72,16.66 arc(242.63,16.61) 242.53,16.59 242.11,16.59 arc(241.9,16.63) 241.72,16.75 240.93,17.54 arc(240.62,17.74) 240.26,17.81 R1.2 239.26,18.97 arc(239.03,19.51) 238.49,19.73 235.65,19.73 arc(235.27,19.57) 235.11,19.19 J5.3
Net-(D2-K): length 28.9
  Bottom w0.5: MX2.2 28.19,76.52 arc(26.78,75.93) 26.19,74.52 26.19,58.36 arc(26.55,57.51) D2.1
Net-(D3-K): length 24.3
  Bottom w0.5: MX3.2 54.93,61.53 arc(54.34,60.12) 52.93,59.53 50.23,59.53 arc(48.82,58.95) 48.23,57.53 D3.1
Net-(D4-K): length 23.6
  Bottom w0.5: D4.1 68.26,57.15 68.26,57.53 arc(68.85,58.95) 70.26,59.53 71.98,59.53 arc(73.39,60.12) 73.98,61.53 MX4.2
Net-(D5-K): length 23.6
  Bottom w0.5: D5.1 87.12,57.53 arc(87.71,58.95) 89.12,59.53 91.03,59.53 arc(92.44,60.12) 93.03,61.53 MX5.2
